# Altium PCB PicoHAL.pcbdoc (part 4 of 5) (continued)
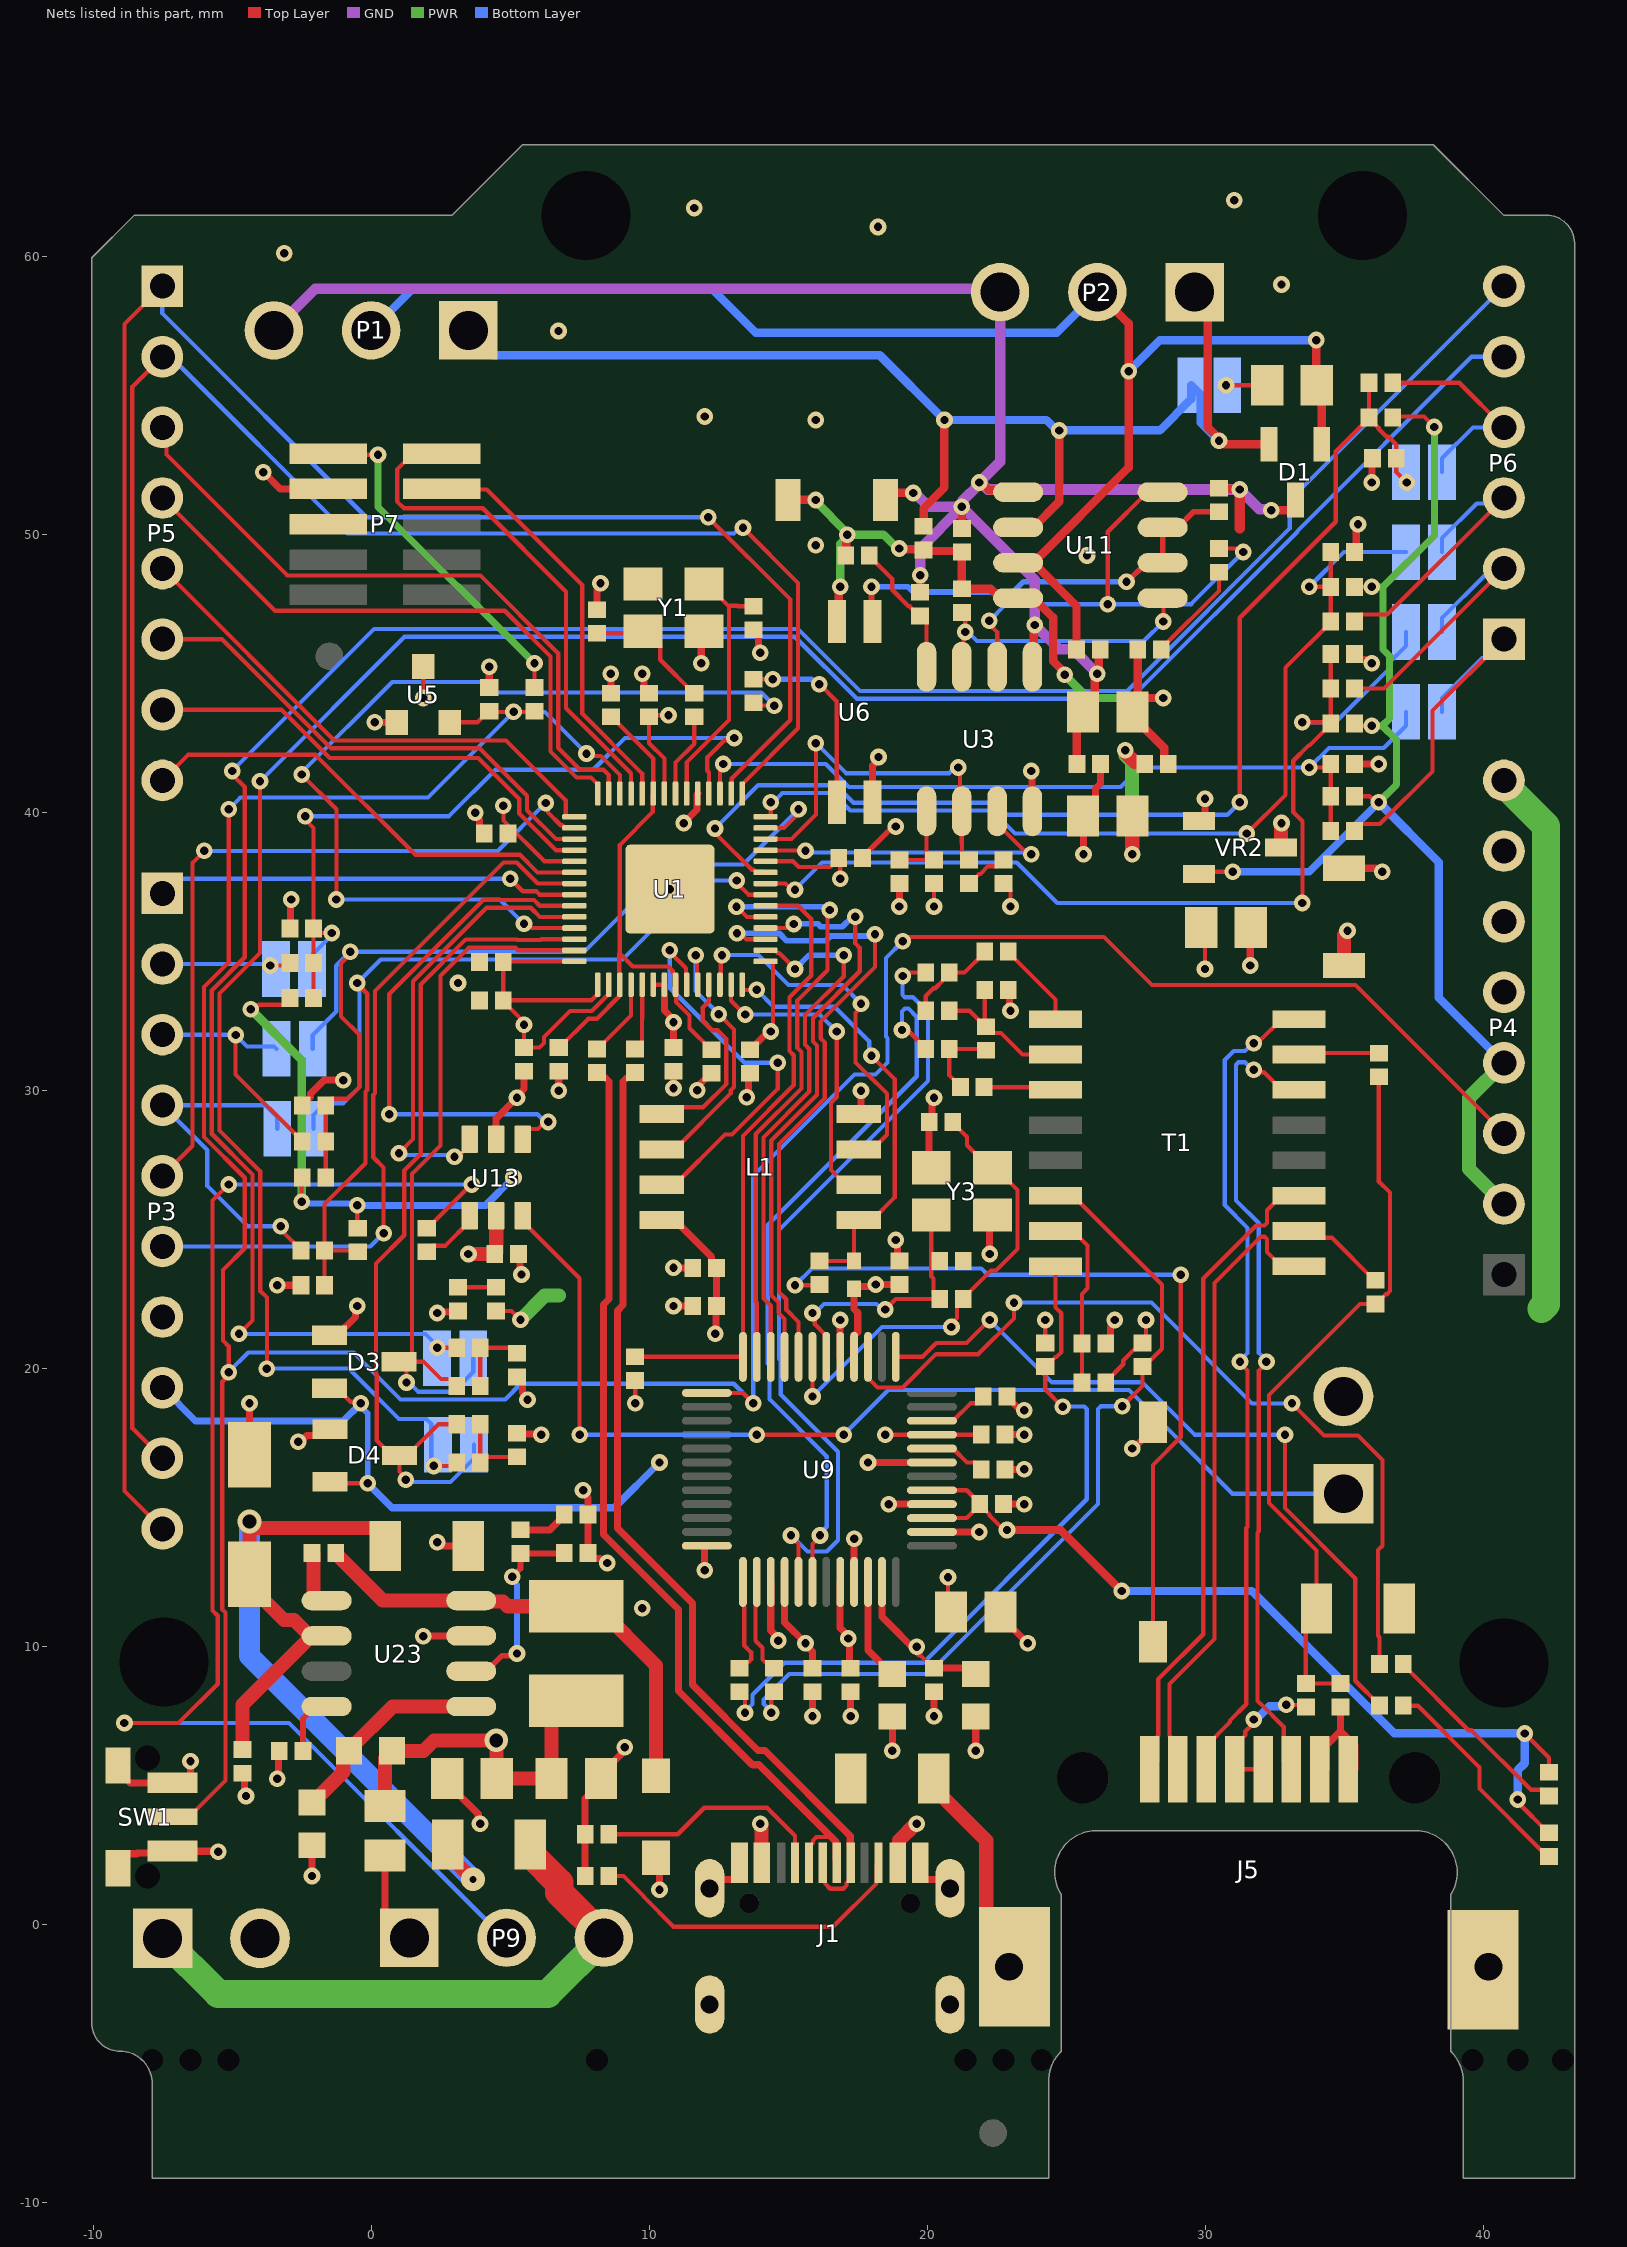
[diagram p6: the nets of this part, all layers, seen from the top]
## Nets (pads, with @x,y where several pads share a name; then routed paths per layer and width w, separated by ;. In a path a pad name is that pad's centre, name@x,y a point inside that pad or via, vN(x,y) a via of type N, cw(c..) or ccw(c..) an arc to the next point about the centre after c; other vN are vias at no path point) (continued)
  Bottom Layer w0.152: J13.1@38.525,43.625 38.525,44.125 39.966,45.566 40.076,45.566 P6.1@40.75,46.24
GP15: C50.2 J10.2 R69.1 R70.2 U1.18 | length 28.2
  Top Layer w0.152: v1(-2.375,39.875) -2.375,39.754 -2.071,39.449 C50.2@-2.071,35.839 ; R69.1@-2.071,33.339 C50.2@-2.071,35.839 ; v1(-1.422,35.672) -1.903,35.672 C50.2@-2.071,35.839 ; U1.18@12.15,40.687 12.15,41.451 12.091,41.51 12.091,41.99 12.702,42.601 12.978,42.601 v1(13.063,42.687)
  Bottom Layer w0.152: v1(-2.375,39.875) 2.806,39.875 4.476,41.546 7.99,41.546 9.131,42.687 v1(13.063,42.687) ; J10.2@-2.125,34.375 -2.125,34.875 -1.422,35.578 v1(-1.422,35.672)
GP15_EXT: J10.1 P3.2 R70.1 | length 4.6
  Top Layer w0.152: v1(-3.625,34.5) -3.01,34.5 R70.1@-2.921,34.589
  Bottom Layer w0.152: P3.2@-7.51,34.556 -3.681,34.556 v1(-3.625,34.5)
GP16: P5.3 U1.27 | length 24.4
  Top Layer w0.152: P5.3@-7.51,53.86 -7.364,53.714 -7.364,52.881 -3.014,48.532 3.933,48.532 6.734,45.731 6.734,42.322 7.51,41.546 8.358,41.546 8.55,41.354 U1.27@8.55,40.687
GP17: P5.4 U1.28 | length 22.3
  Top Layer w0.152: P5.4@-7.51,51.32 -3.452,47.262 4.808,47.262 6.454,45.615 6.454,42.206 7.394,41.266 7.909,41.266 8.126,41.049 8.126,40.711 U1.28@8.15,40.687
GP18: P5.5 U1.29 | length 18.9
  Top Layer w0.152: P5.5@-7.51,48.78 -1.327,42.597 4.848,42.597 7.001,40.443 7.001,39.874 7.025,39.85 U1.29@7.312,39.85
GP19: P3.5 U1.30 | length 26.9
  Top Layer w0.152: P3.5@-7.51,26.936 -6.43,28.016 -6.43,38.195 v1(-6,38.625) ; v1(6.277,40.348) 6.363,40.262 6.363,40.004 6.82,39.547 6.878,39.547 6.951,39.474 7.289,39.474 U1.30@7.312,39.45
  Bottom Layer w0.152: v1(-6,38.625) 4.555,38.625 v1(6.277,40.348)
GP20: P5.6 U1.31 | length 18.1
  Top Layer w0.152: P5.6@-7.51,46.24 -5.365,46.24 -1.443,42.317 3.897,42.317 5.609,40.606 5.609,40.088 6.646,39.05 U1.31@7.312,39.05
GP21: P5.7 U1.32 | length 17.2
  Top Layer w0.152: P5.7@-7.51,43.7 -3.22,43.7 -1.486,41.966 3.853,41.966 5.329,40.49 5.329,39.967 6.646,38.65 U1.32@7.312,38.65
GP22: P5.8 U1.34 | length 17
  Top Layer w0.152: P5.8@-7.51,41.16 -6.591,42.079 -1.995,42.079 1.601,38.484 5.356,38.484 5.99,37.85 U1.34@7.312,37.85
GP23: P3.6 U1.35 | length 26.4
  Top Layer w0.152: v1(0.45,24.875) 0.45,27.231 0.075,27.606 0.075,29.84 0.138,29.904 0.138,33.583 4.76,38.204 5.24,38.204 5.994,37.45 U1.35@7.312,37.45
  Bottom Layer w0.152: P3.6@-7.51,24.396 -0.029,24.396 v1(0.45,24.875)
GP24: P3.1 U1.36 | length 15.3
  Top Layer w0.152: v1(5,37.625) 5.454,37.171 5.939,37.171 6.06,37.05 U1.36@7.312,37.05
  Bottom Layer w0.152: P3.1@-7.51,37.096 -6.981,37.625 v1(5,37.625)
GRN_LED: R51.1 U9.25 | length 27.4
  Top Layer w0.152: U9.25@18.875,20.425 19.835,20.425 20.33,20.921 21.421,20.921 v1(22.25,21.75) ; v1(32.875,17.625) 32.875,14.983 35.403,12.455 35.403,8.772 36.275,7.9 R51.1@36.275,7.875
  Bottom Layer w0.152: v1(22.25,21.75) 24.494,19.506 27.744,19.506 29.625,17.625 v1(32.875,17.625)
INPUT_VCC: FUSE1.1 J2.1 P4.8 P9.3 | length 41.7
  Top Layer w1.016: FUSE1.1@5.73,2.875 5.787,2.818 5.787,2.483 6.765,1.505 6.765,1.162 8.375,-0.448 P9.3@8.375,-0.475
  PWR w1.016: J2.1@-7.5,-0.495 -5.496,-2.499 6.351,-2.499 P9.3@8.375,-0.475 ; P4.8@40.75,41.16 40.75,41.029 42.262,39.517 42.262,22.314 42.099,22.151
MOD_DIR: R24.2 U1.39 | length 33.6
  Top Layer w0.152: v1(-2.5,41.375) -1.25,40.125 v1(-1.25,36.875) ; v1(5.5,36) 5.621,36 5.771,35.85 U1.39@7.312,35.85 ; R24.2@13.75,43.95 13.849,43.851 v1(14.501,43.851)
  Bottom Layer w0.152: v1(-2.5,41.375) -2.5,41.444 0.76,44.704 3.976,44.704 4.36,44.321 14.032,44.321 v1(14.501,43.851) ; v1(-1.25,36.875) 4.625,36.875 v1(5.5,36)
MOD_GND: C16.1 C32.1 C33.1 D1.3 D11.1 L3.2 P1.3 P2.3 R21.2 R27.2 U3.5 U11.5 | length 72.5
  Top Layer w0.305: D11.1@18.5,51.25 18.75,51.5 v1(19.5,51.5) ; C33.1@19.75,47.925 v1(19.75,48.545) ; C16.1@21.25,50.225 v1(21.25,51) ; v1(21.875,51.875) 21.955,51.875 22.224,51.606 23.199,51.606 U11.5@23.275,51.53 ; U3.5@23.79,45.25 23.832,45.293 23.832,46.708 v1(23.875,46.75) ; L3.2@25.39,41.75 25.39,43.405 26.038,44.053 26.038,44.833 26.125,44.92 v1(26.125,45) 26.175,45.05 26.175,45.825 R21.2@26.225,45.875 ; R27.2@30.5,51.675 30.525,51.65 31.225,51.65 v1(31.25,51.625) ; v1(32.375,50.875) 33.102,50.875 33.25,51.023 D1.3@33.25,51.25
  Top Layer w0.381: 31.25,50.225 v1(31.25,51.625)
  GND w0.381: P1.3@-3.5,57.35 -2.006,58.844 22.505,58.844 P2.3@22.625,58.725 22.625,52.625 v1(21.875,51.875) ; v1(19.5,51.5) 19.559,51.5 20.059,51 v1(21.25,51) ; v1(19.75,48.545) 19.75,49.5 v1(21.25,51) ; v1@21.292,51.233 21.875,51.816 v1(21.875,51.875) ; v1(26.125,45) 25.25,45.875 24.75,45.875 v1(23.875,46.75) 23.875,48.375 v1(21.25,51) ; v1(32.375,50.875) 32.333,50.917 31.958,50.917 v1(31.25,51.625) 22.184,51.625 21.934,51.875 v1(21.875,51.875)
  other v1: 25.75,49.25 16,49.625 16,54.125 12,54.25 6.738,57.325 32.75,59 -3.125,60.125 18.233,61.071 11.625,61.75 31.05,62.026
NEOPIXEL0: U1.38 U13.3 | length 16.4
  Top Layer w0.152: v1(1,27.75) 1.507,28.257 1.507,33.934 4.152,36.579 5.74,36.579 6.069,36.25 U1.38@7.312,36.25 ; v1(2.998,27.624) 3.084,27.709 3.209,27.709 3.55,28.05 U13.3@3.55,28.25
  Bottom Layer w0.152: v1(1,27.75) 1.063,27.687 2.935,27.687 v1(2.998,27.624)
NEOPIXEL0_5V: P9.2 R11.1 | length 50.2
  Top Layer w0.152: v1(-8.875,7.25) -6.924,7.25 -5.52,8.654 -5.52,11.112 -5.704,11.297 -5.704,26.046 v1(-5.125,26.625) ; R11.1@2,25.05 2.025,25.05 3.6,26.625 v1(3.625,26.625)
  Bottom Layer w0.152: v1(-8.875,7.25) -2.956,7.25 4.769,-0.475 P9.2@4.875,-0.475 ; v1(-5.125,26.625) v1(3.625,26.625)
NEOPIXEL1: U1.37 U13.1 | length 19.6
  Top Layer w0.152: v1(0.654,29.154) 0.654,33.477 4.036,36.859 5.856,36.859 6.065,36.65 U1.37@7.312,36.65 ; U13.1@5.45,28.25 5.45,28.399 5.674,28.623 6.002,28.623 6.254,28.875 v1(6.375,28.875)
  Bottom Layer w0.152: v1(0.654,29.154) 5.974,29.154 6.254,28.875 v1(6.375,28.875)
NEOPIXEL1_5V: J3.1 U13.6 | length 38.4
  Top Layer w0.152: U13.6@5.45,25.5 5.45,25.3 7.5,23.25 v1(7.5,17.625) ; v1(13.875,17.625) v1(17,17.625)
  Bottom Layer w0.152: v1(7.5,17.625) v1(13.875,17.625) ; v1(17,17.625) 18.602,19.227 27.26,19.227 30.987,15.5 J3.1@34.975,15.5
NetC4_1: C4.1 U23.1 | length 2.2
  Top Layer w0.508: C4.1@-2.125,13.375 -2.079,13.329 -2.079,11.744 -1.99,11.655 U23.1@-1.6,11.655
NetC4_2: C4.2 D14.2 L4.1 U23.8 | length 17.2
  Top Layer w0.508: C4.2@-1.275,13.375 -1.229,13.329 -1.229,13.304 0.42,11.655 U23.8@3.6,11.655 3.637,11.618 4.745,11.618 4.913,11.45 8.125,11.45 10.25,9.325 D14.2@10.25,5.35
NetC6_1: C6.1 R5.1 Y1.3 | length 4.7
  Top Layer w0.152: C6.1@8.125,46.45 9.7,46.45 Y1.3@9.775,46.525 9.875,46.525 10.399,46.001 10.399,45.501 11.6,44.3 R5.1@11.625,44.3
NetC22_1: C22.1 R14.1 U3.1 | length 3
  Top Layer w0.152: C22.1@19,38.3 R14.1@19.98,38.3 ; U3.1@19.98,40.05 R14.1@19.98,38.3 ; R14.1@20.25,38.3 R14.1@19.98,38.3
NetC29_2: C29.2 R6.2 R17.1 | length 2.8
  Top Layer w0.152: R6.2@3.925,19.375 R17.1@3.925,20.75 5.05,20.75 C29.2@5.25,20.55
NetC30_2: C30.2 R15.2 R29.1 | length 2.8
  Top Layer w0.152: R15.2@3.925,18 R29.1@3.925,16.625 4.125,16.825 C30.2@5.25,16.825
NetC33_2: C33.2 R16.1 U3.8 | length 4.9
  Top Layer w0.152: R16.1@17.925,49.25 17.925,49.225 18.745,48.405 18.745,48.018 19.341,47.422 19.378,47.422 19.949,46.851 19.98,46.851 U3.8@19.98,45.25
NetC38_2: C38.2 R45.1 R57.1 T1.2 | length 5.8
  Top Layer w0.152: R45.1@20.8,32.875 21.525,32.875 22.1,32.3 R57.1@22.125,32.3 22.349,32.076 22.662,32.076 23.438,31.3 T1.2@24.619,31.3 ; R57.1@22.075,32.325 C38.2@22.075,33.625
NetC41_2: C41.2 U9.20 | length 2.1
  Top Layer w0.152: U9.20@20.175,17.125 20.217,17.083 20.977,17.083 21.436,16.624 21.726,16.624 21.95,16.4 C41.2@21.95,16.375
NetC42_2: C42.2 R62.2 R63.2 R64.1 R65.1 | length 26.3
  Top Layer w0.152: R63.2@34.875,8.675 R62.2@33.625,8.675 33.625,10.99 C42.2@34.01,11.375 34.01,13.453 32.296,15.167 32.296,19.049 35.571,22.325 36.15,22.325 36.497,22.672 36.534,22.672 36.653,22.791 36.653,26.332 36.25,26.735 R64.1@36.25,30.5
NetC52_2: C52.2 R84.2 U23.6 | length 7.3
  Top Layer w0.203: U23.6@3.6,9.115 4.15,9.115 4.709,9.674 5.174,9.674 v1(5.25,9.75) ; v1(5.08,12.508) 5.08,12.515 5.375,12.811 R84.2@5.375,13.35 6.925,13.35 C52.2@6.95,13.375
  Bottom Layer w0.203: v1(5.08,12.508) 5.08,12.401 5.25,12.231 v1(5.25,9.75)
NetC55_2: C55.2 U23.4 | length 2.2
  Top Layer w0.203: C55.2@-2.45,6.25 -2.45,7.411 -2.016,7.845 U23.4@-1.6,7.845
NetC56_2: C56.2 R84.1 | length 1.8
  Top Layer w0.254: R84.1@5.375,14.2 6.425,14.2 6.95,14.725 C56.2@6.95,14.75
NetC58_2: C58.2 R50.2 T1.7 | length 6.4
  Top Layer w0.152: T1.7@24.619,24.95 25.254,24.95 25.775,24.429 25.775,22.889 25.575,22.689 R50.2@25.575,19.5
NetC59_2: C59.2 U9.22 | length 2.2
  Top Layer w0.152: U9.22@20.175,18.125 20.217,18.167 20.977,18.167 21.561,18.751 21.801,18.751 22.025,18.975 C59.2@22.025,19
NetC66_2: C66.2 J5.9 J5.10 | length 7.7
  Top Layer w0.508: C66.2@20.24,5.25 20.24,4.915 22.129,3.026 22.129,0.295 J5.10@23.49,-1.066
NetD10_A: D10.A R10.1 | length 1.4
  Top Layer w0.152: D10.A@3.125,22.925 R10.1@4.5,22.925
NetD15_A: D15.A R37.1 | length 3.6
  Top Layer w0.152: R37.1@28.425,45.875 28.425,45.9 30.5,47.975 D15.A@30.5,48.65
NetD16_A: D16.A R42.2 | length 1.6
  Top Layer w0.152: D16.A@21.5,37.45 21.525,37.45 21.872,37.797 21.917,37.797 22.196,38.076 22.526,38.076 R42.2@22.75,38.3
NetD17_K: D17.K R51.2 | length 7.9
  Top Layer w0.152: R51.2@37.125,7.875 37.654,7.875 39.871,5.657 39.871,4.891 42.089,2.674 42.151,2.674 D17.K@42.375,2.45
NetD18_K: D18.K R52.2 | length 7.2
  Top Layer w0.152: R52.2@37.125,9.375 37.125,9.35 39.487,6.987 39.582,6.987 41.721,4.849 42.151,4.849 D18.K@42.375,4.625
NetJ4_2: J4.2 R48.1 | length 1.5
  Top Layer w0.152: v1(30.75,55.375) R48.1@32.235,55.375
NetJ5_4: J5.4 J5.5 R62.1 | length 5.2
  Top Layer w0.152: v1(31.75,7.375) 31.75,7.254 31.449,6.953 31.449,6.818 31.065,6.434 J5.4@31.065,5.584 J5.5@32.085,5.584 ; v1(32.922,7.903) 33.547,7.903 R62.1@33.625,7.825
  Bottom Layer w0.305: v1(31.75,7.375) 31.83,7.375 32.301,7.846 32.866,7.846 v1(32.922,7.903)
NetJ5_7: J5.7 J5.8 R63.1 | length 4
  Top Layer w0.254: J5.7@34.375,5.584 34.375,6.454 34.875,6.954 ; R63.1@34.875,7.825 34.875,6.954 ; J5.8@35.395,5.584 35.395,6.434 34.875,6.954
NetR2_1: R2.1 SW2.1 | length 28.7
  Top Layer w0.152: v1(15.25,23) 16.1,23 R2.1@16.125,23.025 ; SW2.1@28.125,10.175 28.125,16.538 29.125,17.538 v1(29.125,23.375)
  Bottom Layer w0.152: v1(15.25,23) 15.854,23.604 21.951,23.604 22.181,23.375 v1(29.125,23.375)
NetR11_2: R11.2 U13.4 | length 2.2
  Top Layer w0.152: R11.2@2,24.2 2.224,24.424 2.674,24.424 3.55,25.3 U13.4@3.55,25.5
NetR24_1: R24.1 U6.1 | length 7
  Top Layer w0.152: R24.1@13.75,44.8 v1(14.45,44.8) ; v1(16.125,44.625) 16.75,44 16.75,40.385 U6.1@16.76,40.375
  Bottom Layer w0.203: v1(14.45,44.8) 15.843,44.8 16.018,44.625 v1(16.125,44.625)
NetR64_2: R64.2 T1.15 | length 2.9
  Top Layer w0.152: T1.15@33.381,31.3 33.431,31.35 R64.2@36.25,31.35
NetR65_2: R65.2 T1.10 | length 3.5
  Top Layer w0.152: T1.10@33.381,24.95 33.622,24.709 34.566,24.709 36.1,23.175 R65.2@36.125,23.175
NetR68_1: R68.1 R85.2 U23.5 | length 7.5
  Top Layer w0.508: R85.2@-2.125,4.395 -2.1,4.395 -1.001,5.494 -1.001,6.039 R68.1@-0.79,6.25 -0.79,6.275 0.78,7.845 U23.5@3.6,7.845
NetR78_2: R78.2 U9.10 | length 3.7
  Top Layer w0.254: U9.10@17.875,12.325 17.875,9.87 18.725,9.02 R78.2@18.75,9.02
PICO_RUN: C23.2 P4.3 R19.1 SW1.2 U1.26 U5.2 U9.37 | length 125.4
  Top Layer w0.152: SW1.2@-7.15,3.875 -6.55,3.875 -5.24,5.185 -5.24,11.228 -5.353,11.341 -5.353,19.526 -5.125,19.754 -5.125,20.806 -5.329,21.01 -5.329,23.546 -4.546,24.329 -4.546,26.865 -6.013,28.333 -6.013,33.724 -5.125,34.612 v1(-5.125,40.125) ; U5.2@2.825,43.25 3.825,43.25 4.225,43.65 C23.2@4.25,43.65 4.275,43.625 5.85,43.625 R19.1@5.875,43.65 ; v1(7.75,42.125) 7.836,42.039 8.264,42.039 8.95,41.354 U1.26@8.95,40.687 ; U9.37@12.075,19.125 13.375,19.125 v1(13.75,18.75) ; v1(19.125,35.375) 19.246,35.375 19.399,35.528 26.358,35.528 28.091,33.796 35.414,33.796 P4.3@40.75,28.46
  Bottom Layer w0.152: v1(-5.125,19.875) -4.421,20.579 -0.629,20.579 1.058,18.892 4.823,18.892 5.385,19.454 13.046,19.454 v1@13.664,18.836 ; v1(-5.125,40.125) -4.704,40.546 2.046,40.546 v1(5.125,43.625) 6.25,43.625 v1(7.75,42.125) ; v1(13.75,18.75) v1@13.664,18.836 ; v1(19.125,35.375) 18.518,34.768 18.518,31.944 18.579,31.883 18.579,31.01 18.149,30.579 17.385,30.579 13.75,26.944 13.75,18.921 v1@13.664,18.836
PICO_SWCLK: P7.4 U1.24 | length 14.9
  Top Layer w0.152: P7.4@2.535,51.645 2.555,51.625 4.159,51.625 7.597,48.187 7.597,43.566 9.75,41.413 U1.24@9.75,40.687
PICO_SWDIO: P7.2 U1.25 | length 18.6
  Top Layer w0.152: P7.2@2.535,52.915 1.51,52.915 0.937,52.342 0.937,51.191 1.179,50.948 4.014,50.948 7.013,47.949 7.013,43.754 9.35,41.418 U1.25@9.35,40.687
QSPI_SCLK: L1.6 U1.52 | length 10
  Top Layer w0.152: L1.6@10.45,27.885 10.925,27.885 12.933,29.893 12.933,30.001 13.058,30.125 13.058,32.201 v1(12.507,32.751) ; v1(11.675,34.875) 11.726,34.824 11.726,33.836 U1.52@11.75,33.813
  Bottom Layer w0.152: v1(11.675,34.875) 11.675,33.584 v1(12.507,32.751)
QSPI_SD0: L1.5 U1.53 | length 6.9
  Top Layer w0.152: L1.5@10.45,29.155 10.699,29.404 11.941,29.404 12.778,30.241 12.778,31.859 12.465,32.172 12.267,32.172 11.928,32.511 11.928,32.991 12.15,33.213 U1.53@12.15,33.813
QSPI_SD1: L1.2 U1.55 | length 11.1
  Top Layer w0.152: U1.55@12.95,33.813 12.95,33.233 13.443,32.74 v1(13.457,32.74) ; v1(16.75,32.125) 16.75,29.767 16.547,29.564 16.547,27.143 17.075,26.615 L1.2@17.55,26.615
  Bottom Layer w0.152: v1(13.457,32.74) 16.135,32.74 v1(16.75,32.125)
QSPI_SD2: L1.3 U1.54 | length 13.3
  Top Layer w0.152: U1.54@12.55,33.813 12.574,33.836 12.574,34.824 v1(12.625,34.875) ; L1.3@17.55,27.885 18.025,27.885 18.553,28.413 18.553,29.891 17.865,30.579 17.851,30.579 17.421,31.01 17.421,32.799 17.625,33.004 v1(17.625,33.125)
  Bottom Layer w0.152: v1(12.625,34.875) 13.931,34.875 15.01,33.796 16.954,33.796 v1(17.625,33.125)
QSPI_SD3: L1.7 U1.51 | length 14.4
  Top Layer w0.152: L1.7@10.45,26.615 10.925,26.615 12.729,28.419 12.984,28.419 14.625,30.059 v1(14.625,31) ; v1(10.74,35.045) 10.74,34.99 11.326,34.404 11.326,33.836 U1.51@11.35,33.813
  Bottom Layer w0.152: v1(10.74,35.045) 10.74,33.699 13.439,31 v1(14.625,31)
QSPI_SS: L1.1 R1.1 R2.2 U1.56 | length 15.9
  Top Layer w0.152: U1.56@13.35,33.813 13.35,33.649 13.374,33.625 v1(13.875,33.625) ; R2.2@16.125,23.875 R1.1@17.375,23.875 17.375,25.17 L1.1@17.55,25.345 18.025,25.345 18.833,26.153 18.833,30.417 v1(18,31.25)
  Bottom Layer w0.152: v1(13.875,33.625) 14.48,33.02 16.675,33.02 17.916,31.779 17.916,31.334 v1(18,31.25)
Relay_VCC: C46.2 C47.2 D13.2 FUSE1.2 U23.2 | length 33.8
  Top Layer w0.508: C47.2@-4.625,6.3 -4.625,7.91 U23.2@-2.15,10.385 ; v2(-4.375,14.5) -4.375,12.2 -3.136,10.961 -2.778,10.961 -2.239,10.422 -1.637,10.422 U23.2@-1.6,10.385 ; v2@-4.053,14.271 0.199,14.271 0.51,13.96 C46.2@0.51,13.625 ; FUSE1.2@2.75,2.875 2.75,2.54 v3(3.665,1.625)
  Bottom Layer w0.762: v2(-4.375,14.5) -4.375,9.665 v3(3.665,1.625)
RP_XIN: C5.1 U1.20 Y1.1 | length 9.5
  Top Layer w0.152: U1.20@11.35,40.687 11.35,41.805 12.878,43.333 12.878,47.422 12.075,48.225 Y1.1@11.975,48.225 ; 12.898,47.441 13.18,47.441 13.196,47.425 C5.1@13.75,47.425
RP_XOUT: R5.2 U1.21 | length 3
  Top Layer w0.152: U1.21@10.95,40.688 10.95,41.8 11.625,42.475 R5.2@11.625,43.45
RX_C_N: C39.1 T1.1 | length 3.1
  Top Layer w0.152: C39.1@22.925,35 22.925,34.975 24.619,33.281 T1.1@24.619,32.57
RX_C_P: C40.1 T1.3 | length 2.6
  Top Layer w0.152: C40.1@22.05,30.125 24.524,30.125 T1.3@24.619,30.03
RX_N: C39.2 R45.2 R46.1 | length 3.4
  Top Layer w0.152: R45.2@19.95,32.875 19.95,33.4 20.232,33.682 20.294,33.682 20.576,33.964 20.576,34.026 R46.1@20.8,34.25 21.35,34.25 22.075,34.975 C39.2@22.075,35
RX_O_n: J5.6 T1.14 | length 29.2
  Top Layer w0.152: v1(31.75,30.75) 31.836,30.664 32.112,30.664 32.746,30.03 T1.14@33.381,30.03 ; v1(32.207,20.25) 32.207,20.209 31.935,19.937 31.935,14.146 31.887,14.098 31.887,8.044 31.976,7.954 31.99,7.954 32.831,7.113 32.831,5.858 J5.6@33.105,5.584
  Bottom Layer w0.152: v1(31.75,30.75) 31.709,30.75 31.437,31.022 31.202,31.022 31.113,30.933 31.113,26.051 31.935,25.23 31.935,20.563 32.207,20.291 v1(32.207,20.25)
RX_O_p: J5.3 T1.16 | length 30
  Top Layer w0.152: J5.3@30.045,5.584 30.045,6.434 30.9,7.289 30.9,7.344 31.48,7.925 31.48,14.267 31.528,14.315 31.528,19.937 31.257,20.209 v1(31.257,20.25) ; v1(31.75,31.7) 31.836,31.786 31.962,31.786 32.746,32.57 T1.16@33.381,32.57
  Bottom Layer w0.152: v1(31.257,20.25) 31.257,20.291 31.528,20.563 31.528,25.061 30.707,25.883 30.707,31.101 31.034,31.428 31.437,31.428 31.709,31.7 v1(31.75,31.7)
RX_P: C40.2 R57.2 R77.1 | length 2.9
  Top Layer w0.152: C40.2@21.2,30.125 21.2,30.15 20.8,30.55 R77.1@20.8,31.5 22.075,31.5 R57.2@22.125,31.45
RX_R_N: R46.2 U9.5 | length 28.7
  Top Layer w0.152: v1(15.102,14) 15.102,13.959 15.374,13.687 15.374,12.326 U9.5@15.375,12.325 ; v1(19.125,34.125) 19.246,34.125 19.371,34.25 R46.2@19.95,34.25
  Bottom Layer w0.152: v1(15.102,14) 15.12,14 15.7,13.421 16.388,13.421 16.796,13.828 16.796,17.01 14.736,19.07 14.736,20.288 14.671,20.354 14.671,24.99 20.032,30.352 20.032,32.82 19.495,33.358 19.201,33.358 19.111,33.447 19.111,34.111 v1(19.125,34.125)
RX_R_P: R77.2 U9.6 | length 26.2
  Top Layer w0.152: U9.6@15.875,12.325 15.876,12.326 15.876,13.687 16.148,13.959 v1(16.148,14) ; v1(19.098,32.184) 19.183,32.098 19.377,32.098 19.95,31.525 R77.2@19.95,31.5
  Bottom Layer w0.152: v1(16.148,14) 16.148,14.072 16.389,14.313 16.389,16.842 14.329,18.901 14.329,20.12 14.264,20.185 14.264,25.158 19.626,30.52 19.626,32.652 19.327,32.951 19.201,32.951 19.098,32.848 v1(19.098,32.184)
RXD_OUT: R8.1 U3.7 U11.1 | length 10.4
  Top Layer w0.152: U3.7@21.25,45.25 21.312,45.313 v1@21.312,46.438 ; R8.1@21.25,47.2 21.375,47.075 v1(21.375,46.5) ; U11.1@28.475,47.72 28.5,47.695 v1(28.5,46.875)
  Bottom Layer w0.152: v1(21.375,46.5) 21.464,46.5 21.793,46.171 27.796,46.171 v1(28.5,46.875)
SPI_CLK: U1.4 U9.33 | length 21
  Top Layer w0.152: U1.4@14.187,35.85 14.929,35.85 15.077,35.997 v1(15.198,35.997) ; U9.33@14.875,20.425 14.875,21.785 14.654,22.006 14.654,22.381 14.391,22.644 14.391,28.199 16.043,29.85 16.043,31.618 15.891,31.769 15.891,32.606 17.579,34.294 17.579,35.137 17.419,35.297 v1(17.419,36.261)
  Bottom Layer w0.203: v1(15.198,35.997) 16.074,35.997 16.177,35.895 16.946,35.895 17.312,36.261 v1(17.419,36.261)
SPI_CSn: U1.3 U9.32 | length 23.3
  Top Layer w0.152: v1(13.16,35.66) 13.282,35.66 13.491,35.45 U1.3@14.187,35.45 ; U9.32@15.375,20.425 15.375,21.681 14.934,22.122 14.934,22.497 14.671,22.76 14.671,28.083 16.322,29.734 16.322,31.734 16.171,31.885 16.171,32.49 18.125,34.444 v1(18.125,35.625)
  Bottom Layer w0.203: v1(13.16,35.66) 14.68,35.66 14.947,35.393 16.366,35.393 16.539,35.565 18.065,35.565 v1(18.125,35.625)
SPI_PICO: U1.5 U9.35 | length 21.9
  Top Layer w0.152: v1(13.145,36.61) 13.162,36.61 13.521,36.25 U1.5@14.187,36.25 ; U9.35@13.875,20.425 13.875,22.37 13.832,22.413 13.832,28.43 15.484,30.082 15.484,31.386 15.332,31.538 15.332,33.243 16.421,34.331 16.421,36.421 v1(16.5,36.5)
  Bottom Layer w0.203: v1(13.145,36.61) 16.283,36.61 16.393,36.5 v1(16.5,36.5)
SPI_POCI: U1.2 U9.34 | length 19.2
  Top Layer w0.152: U1.2@14.187,35.05 14.211,35.026 14.549,35.026 14.622,34.953 14.68,34.953 15.25,34.383 v1(15.25,34.375) ; U9.34@14.375,20.425 14.375,22.265 14.112,22.529 14.112,28.315 15.763,29.966 15.763,31.502 15.612,31.654 15.612,32.721 17,34.11 v1(17,34.875)
  Bottom Layer w0.203: v1(15.25,34.375) 15.257,34.375 15.757,34.875 v1(17,34.875)
TX_N: R49.2 R58.1 T1.8 | length 26.4
  Top Layer w0.152: R58.1@13.25,8.375 13.448,8.177 v1(13.448,7.625) ; T1.8@24.619,23.68 24.619,22.2 24.829,21.99 24.829,20.592 24.659,20.422 24.622,20.422 24.275,20.075 R49.2@24.25,20.075 24.25,19.25 v1(24.875,18.625)
  Bottom Layer w0.152: v1(13.448,7.625) 13.448,7.666 13.72,7.938 13.72,8.269 14.871,9.421 19.865,9.421 25.744,15.3 25.744,18.547 25.655,18.636 24.886,18.636 v1(24.875,18.625)
TX_O_n: J5.2 T1.9 | length 22.7
  Top Layer w0.152: J5.2@29.025,5.584 28.751,5.858 28.751,6.764 28.718,6.797 28.718,8.656 30.339,10.277 30.339,23.076 32.01,24.747 32.136,24.747 32.225,24.658 32.225,24.201 32.746,23.68 T1.9@33.381,23.68
TX_O_p: J5.1 T1.11 | length 23.4
  Top Layer w0.152: J5.1@28.005,5.584 28.279,5.858 28.279,6.764 28.312,6.797 28.312,8.825 29.933,10.446 29.933,23.245 31.841,25.153 32.136,25.153 32.225,25.242 32.225,25.699 32.746,26.22 T1.11@33.381,26.22
TX_P: R47.2 R59.1 T1.6 | length 30.8
  Top Layer w0.152: v1(14.398,7.625) 14.398,8.273 R59.1@14.5,8.375 ; T1.6@24.619,26.22 25.254,26.22 28.454,23.02 28.454,20.717 28.036,20.299 27.999,20.299 27.775,20.075 R47.2@27.75,20.075 27.75,19.377 v1(27.02,18.647)
  Bottom Layer w0.152: v1(14.398,7.625) 14.398,7.666 14.126,7.938 14.126,8.101 15.04,9.014 20.033,9.014 26.151,15.132 26.151,18.547 26.251,18.647 v1(27.02,18.647)
TX_R_N: R58.2 U9.1 | length 3.5
  Top Layer w0.152: R58.2@13.25,9.225 13.474,9.449 13.583,9.449 13.672,9.538 13.672,9.793 13.422,10.043 13.422,11.428 13.399,11.45 13.399,12.301 U9.1@13.375,12.325
TX_R_P: R59.2 U9.2 | length 3.5
  Top Layer w0.152: U9.2@13.875,12.325 13.851,12.301 13.851,11.45 13.828,11.428 13.828,10.211 14.078,9.961 14.078,9.538 14.167,9.449 14.276,9.449 R59.2@14.5,9.225
TXD_OUT: D15.K U3.6 U11.4 | length 18
  Top Layer w0.152: v1(22.237,46.899) 22.237,46.778 22.52,46.495 U3.6@22.52,45.25 ; v1(26.5,47.5) 26.5,50.105 27.925,51.53 U11.4@28.475,51.53 ; D15.K@30.5,49.5 31.129,49.5 31.254,49.375 v1(31.375,49.375)
  Bottom Layer w0.152: v1(22.237,46.899) 22.838,47.5 29.5,47.5 v1(31.375,49.375)
UART1_RX: D16.K U1.12 U3.2 | length 13.9
  Top Layer w0.152: U1.12@14.187,39.05 15.119,39.05 16,39.931 v1(16,42.5) ; v1(21.125,41.625) 21.187,41.563 21.187,40.113 U3.2@21.25,40.05 21.25,38.886 21.251,38.885 21.251,38.524 21.475,38.3 D16.K@21.5,38.3
  Bottom Layer w0.152: v1(16,42.5) 17.079,41.421 20.799,41.421 21.004,41.625 v1(21.125,41.625)
UART1_TX: U1.11 U3.3 | length 11.8
  Top Layer w0.152: U1.11@14.187,38.65 14.2,38.637 15.613,38.637 v1(15.625,38.625) ; U3.3@22.52,40.05 22.52,39.615 23.635,38.5 v1(23.75,38.5)
  Bottom Layer w0.152: v1(15.625,38.625) 15.688,38.562 23.688,38.562 v1(23.75,38.5)
USB_D_N: J1.A7 J1.B7 R4.1 | length 33.9
  Top Layer w0.152: J1.B7@15.75,2.22 15.75,2.795 15.897,2.942 15.897,3.029 16.016,3.148 16.484,3.148 ; J1.A7@16.676,2.585 16.676,2.294 J1.A7@16.75,2.22
  Top Layer w0.254: R4.1@8.125,30.65 8.298,30.477 8.41,30.477 8.558,30.328 8.558,22.502 8.362,22.305 8.362,14.034 11.06,11.336 11.06,8.403 13.713,5.751 13.955,5.751 16.727,2.979 16.727,2.608 J1.A7@16.75,2.585
USB_D_P: J1.A6 J1.B6 R3.1 | length 34.6
  Top Layer w0.152: J1.A6@16.25,2.22 16.324,2.146 16.324,1.484 16.516,1.292 16.984,1.292 17.103,1.411 17.103,1.498 17.25,1.645 J1.B6@17.25,2.22
  Top Layer w0.254: R3.1@9.5,30.65 9.327,30.477 9.215,30.477 9.066,30.328 9.066,22.292 8.87,22.095 8.87,14.245 11.568,11.547 11.568,8.614 13.923,6.259 14.166,6.259 17.235,3.19 17.235,2.818 17.258,2.795 J1.B6@17.258,2.585
USB_D_R_N: R4.2 U1.46 | length 2.8
  Top Layer w0.152: R4.2@8.125,31.5 8.15,31.5 9.35,32.7 U1.46@9.35,33.813
USB_D_R_P: R3.2 U1.47 | length 2.4
  Top Layer w0.152: R3.2@9.5,31.5 9.525,31.5 9.749,31.724 9.749,32.587 9.75,32.588 U1.47@9.75,33.813
USBC_CC1: J1.A5 R32.1 | length 8.5
  Top Layer w0.152: R32.1@8.55,3.25 11.03,3.25 11.984,4.204 14.24,4.204 15.25,3.194 J1.A5@15.25,2.22
USBC_CC2: J1.B5 R31.1 | length 11.8
  Top Layer w0.152: R31.1@8.55,1.75 9.079,1.75 9.796,1.033 9.796,1.01 10.881,-0.075 16.617,-0.075 18.176,1.484 18.176,2.146 J1.B5@18.25,2.22
VREG_1V1: C7.2 C8.2 C9.2 U1.23 U1.45 U1.50 | length 19.7
  Top Layer w0.152: C9.2@6.75,31.55 6.775,31.55 7.808,32.583 8.117,32.583 8.926,33.393 8.926,33.789 U1.45@8.95,33.813 8.926,33.836 8.926,34.925 ; C8.2@8.625,43.45 8.65,43.45 10.15,41.95 U1.23@10.15,40.688 10.128,40.665 10.128,40.021 8.947,38.84 8.947,34.932 9.413,34.466 10.692,34.466 10.853,34.305 10.853,34.247 10.974,34.126 10.974,33.184 11.454,32.703 11.454,32.246 12.225,31.475 C7.2@12.25,31.475
W5500_INTn: R61.2 U1.6 U9.36 | length 22.6
  Top Layer w0.152: R61.2@9.5,20.425 U9.36@13.375,20.425 13.375,28.368 15.204,30.197 15.204,31.271 15.053,31.422 15.053,33.359 15.829,34.135 15.829,36.185 15.365,36.65 U1.6@14.187,36.65
XI: C43.2 R60.1 U9.30 Y3.1 | length 9.9
  Top Layer w0.152: v1(15.875,22) 15.961,21.914 15.961,21.599 16.333,21.227 16.333,20.467 U9.30@16.375,20.425 ; v1(18.5,22.125) 18.875,22.5 R60.1@20.45,22.5 20.226,22.724 20.226,23.245 20.15,23.321 Y3.1@20.15,25.525
  Bottom Layer w0.152: v1(15.875,22) 15.964,22 16.293,22.329 18.174,22.329 18.379,22.125 v1(18.5,22.125)
XO: C60.2 R60.2 U9.31 Y3.3 | length 17
  Top Layer w0.152: v1(15.875,19) U9.31@15.875,20.425 ; v1(20.875,21.5) 20.875,21.621 21.076,21.822 21.076,22.301 22.304,23.529 22.473,23.529 23.253,24.309 23.253,26.422 22.45,27.225 22.25,27.225 21.437,28.038 21.437,28.338 20.925,28.85 C60.2@20.925,28.875
  Bottom Layer w0.152: v1(15.875,19) 18.375,21.5 v1(20.875,21.5)
YEL_LED: R52.1 U9.27 | length 30.8
  Top Layer w0.152: U9.27@17.875,20.425 17.917,20.383 17.917,19.623 18.218,19.322 19.126,19.322 20.326,20.521 21.84,20.521 23.125,21.806 v1(23.125,22.375) ; v1(33.125,18.75) 34.28,17.595 35.497,17.595 36.38,16.712 36.38,13.631 36.222,13.472 36.222,10.391 36.275,10.338 R52.1@36.275,9.375
  Bottom Layer w0.152: v1(23.125,22.375) 28.069,22.375 31.694,18.75 v1(33.125,18.75)
pads on no net: FID1.1 FID2.1 J1. J1.A8 J1.B8 J5. P4.1 P7.6 P7.7 P7.8 P7.9 P7.10 SW1.MH1 SW1.MH2 T1.4 T1.5 T1.12 T1.13 U9.7 U9.12 U9.13 U9.18 U9.23 U9.24 U9.26 U9.38 U9.39 U9.40 U9.41 U9.42 U9.43 U9.44 U9.45 U9.46 U9.47 U23.3

## Polygon pours and split planes (outlines as drawn)
+3.3V on PWR "+3.3V_L03_P018" (solid, remove dead copper, pour order 18): 19.75,9.5 14.375,9.375 1.375,29.061 1.375,45.875 23.593,45.875 34.5,34.968 34.5,22.875
+5V on PWR "+5V_L03_P023" (solid, remove dead copper, pour order 23): -10.05,-3.54 -10.05,42.75 43.29,42.75 43.29,-3.54 cw(c42.274,-3.54) 42.274,-4.556 -9.059,-4.556 cw(c-9.047,-3.552)
INPUT_VCC on PWR "INPUT_VCC_L03_P011" (solid, pour order 11): -9.5,-1 -9.5,-4.375 43.25,-4.375 43.25,24.125 40.003,24.125 23.842,7.964 18.939,3.061 -6.375,-0.875
GND on GND "GND-No Net" (solid, pour order 26): 42.274,-4.556 ccw(c42.274,-3.54) 43.29,-3.54 43.29,60.494 ccw(c42.287,60.481) 42.274,61.484 40.75,61.484 38.21,64.024 35.75,64.024 35.75,51.125 28.375,43.75 19.625,43.75 9.875,53.5 -2.5,53.5 -5.25,56.25 -5.25,60.875 -4.641,61.484 -8.526,61.484 -10.05,59.96 -10.05,-3.54 ccw(c-9.047,-3.552) -9.059,-4.556
MOD_GND on GND "NONET_L-01_P-001" (solid, remove dead copper, pour order 29): -4.75,62 -4.75,56 -3.625,54.875 9.513,54.875 20.087,44.301 28.926,44.301 35,50.375 35,64 -2.75,64
GND on Top Layer "Top Layer-No Net" (solid, remove dead copper, pour order 27): -9.059,-4.556 42.274,-4.556 ccw(c42.274,-3.54) 43.29,-3.54 43.29,60.494 ccw(c42.287,60.481) 42.274,61.484 40.75,61.484 35.75,61.484 35.75,51.125 29.25,44.625 19.763,44.625 11.263,53.125 -2.25,53.125 -5.25,56.125 -5.25,60.875 -4.641,61.484 -8.526,61.484 -10.05,59.96 -10.05,-3.54 ccw(c-9.047,-3.553)
MOD_GND on Top Layer "NONET_L-01_P-001" (solid, remove dead copper, pour order 30): -4.75,62 -4.75,56 -3.625,54.875 10.125,54.875 20.699,44.301 28.926,44.301 35,50.375 35,64 -2.75,64
GND on Bottom Layer "Bottom Layer-No Net" (solid, remove dead copper, pour order 28): -9.059,-4.556 42.274,-4.556 ccw(c42.274,-3.54) 43.29,-3.54 43.29,60.494 ccw(c42.287,60.481) 42.274,61.484 40.75,61.484 38.875,61.484 38.875,60.625 37.75,59.5 35.625,59.5 34.75,58.625 34.75,50.125 29.5,44.875 18.5,44.875 9.25,54.125 -3,54.125 -5.25,56.375 -5.25,59.96 -10.05,59.96 -10.05,-3.54 ccw(c-9.047,-3.553)
MOD_GND on Bottom Layer "NONET_L-01_P-001" (solid, remove dead copper, pour order 31): -4.75,62 -4.75,56 -3.625,54.875 9.513,54.875 20.087,44.301 28.926,44.301 35,50.375 35,64 -2.75,64

## Keep-outs
Top Layer:
  rectangle: 7.809,34.267 13.625,40.25

## Other copper
Top Layer:
  pour cut-out: 13,19.5 19.25,19.5 19.25,13.25 13,13.25